# Altium PCB WP75xx 2 no usb_v.PcbDoc (part 1 of 2)
Units mil, origin at the board's own origin, x right, y up, seen from the top; angles counter-clockwise.
Board outline 1968.5 x 2755.91 mil, 2 copper layers (Top, Bottom); 120 components, 122 nets, 636 pads, 143 vias.
Unrouted connection lines stored in the file: 34.
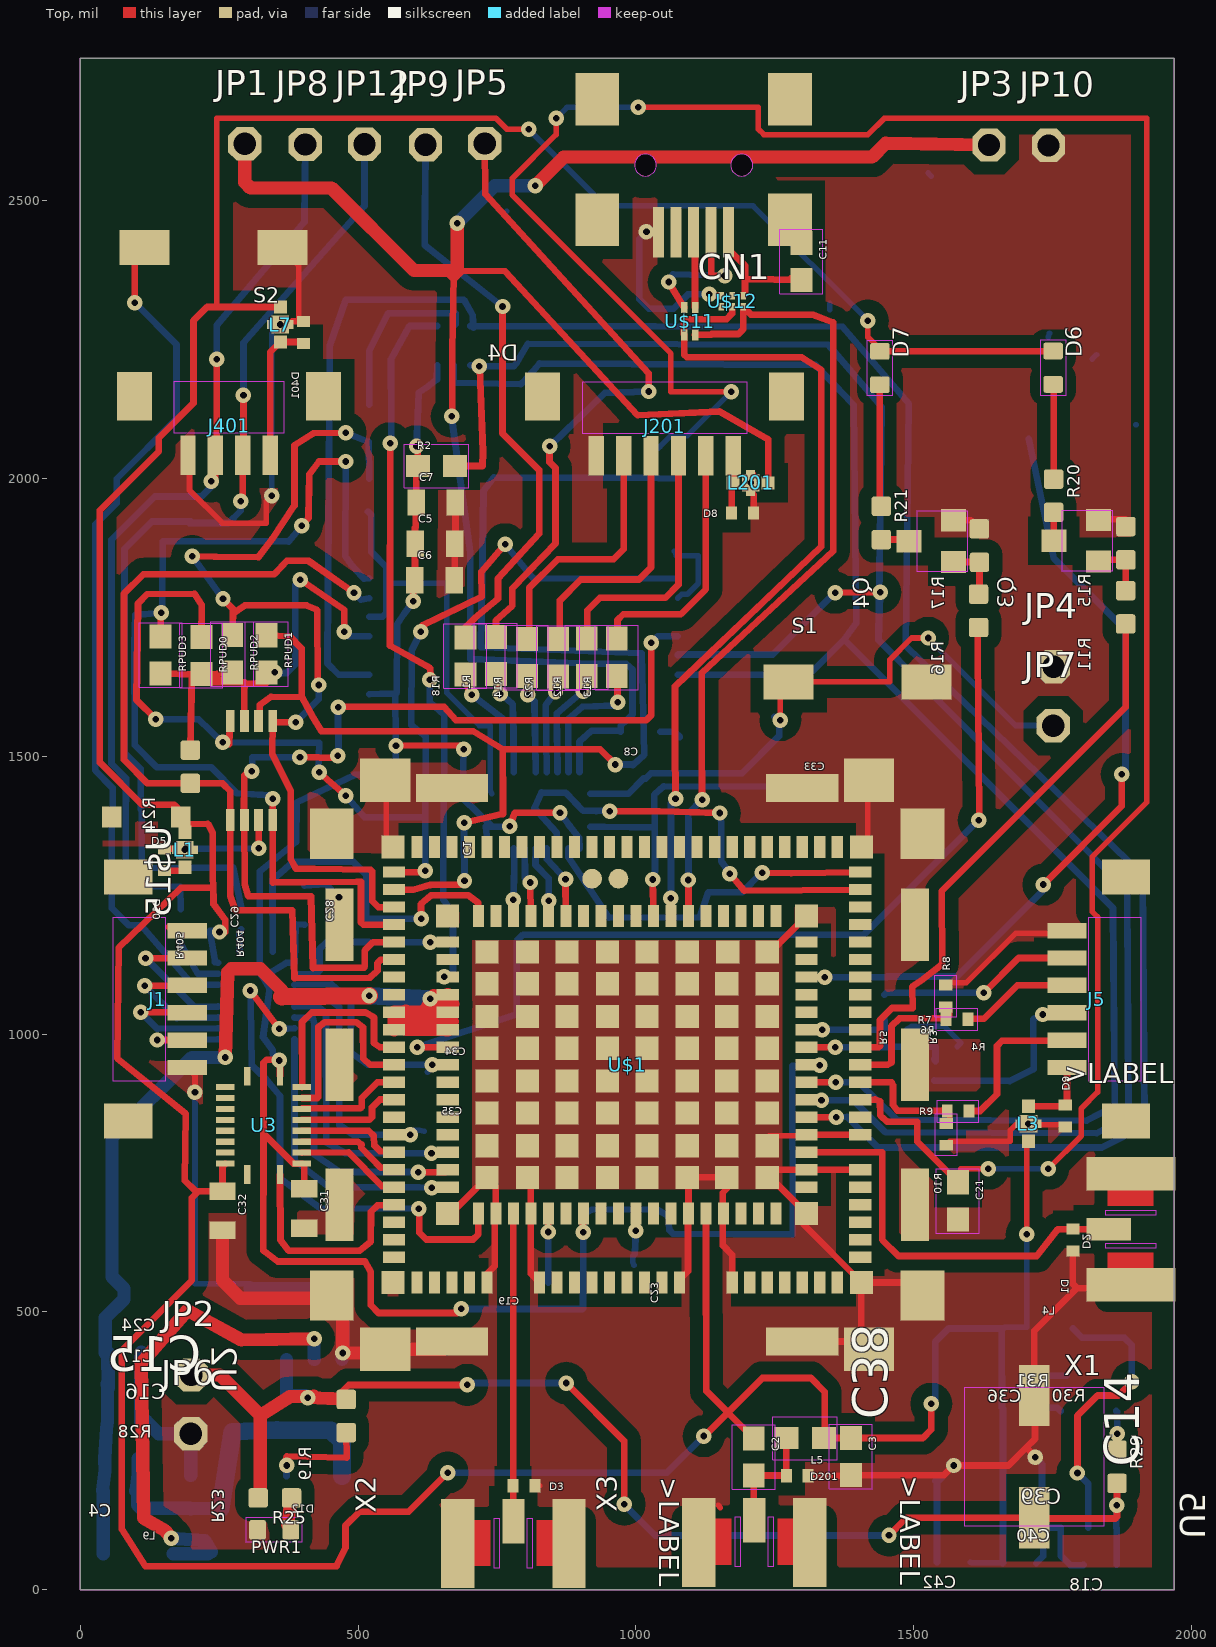
[diagram p0: Top view]
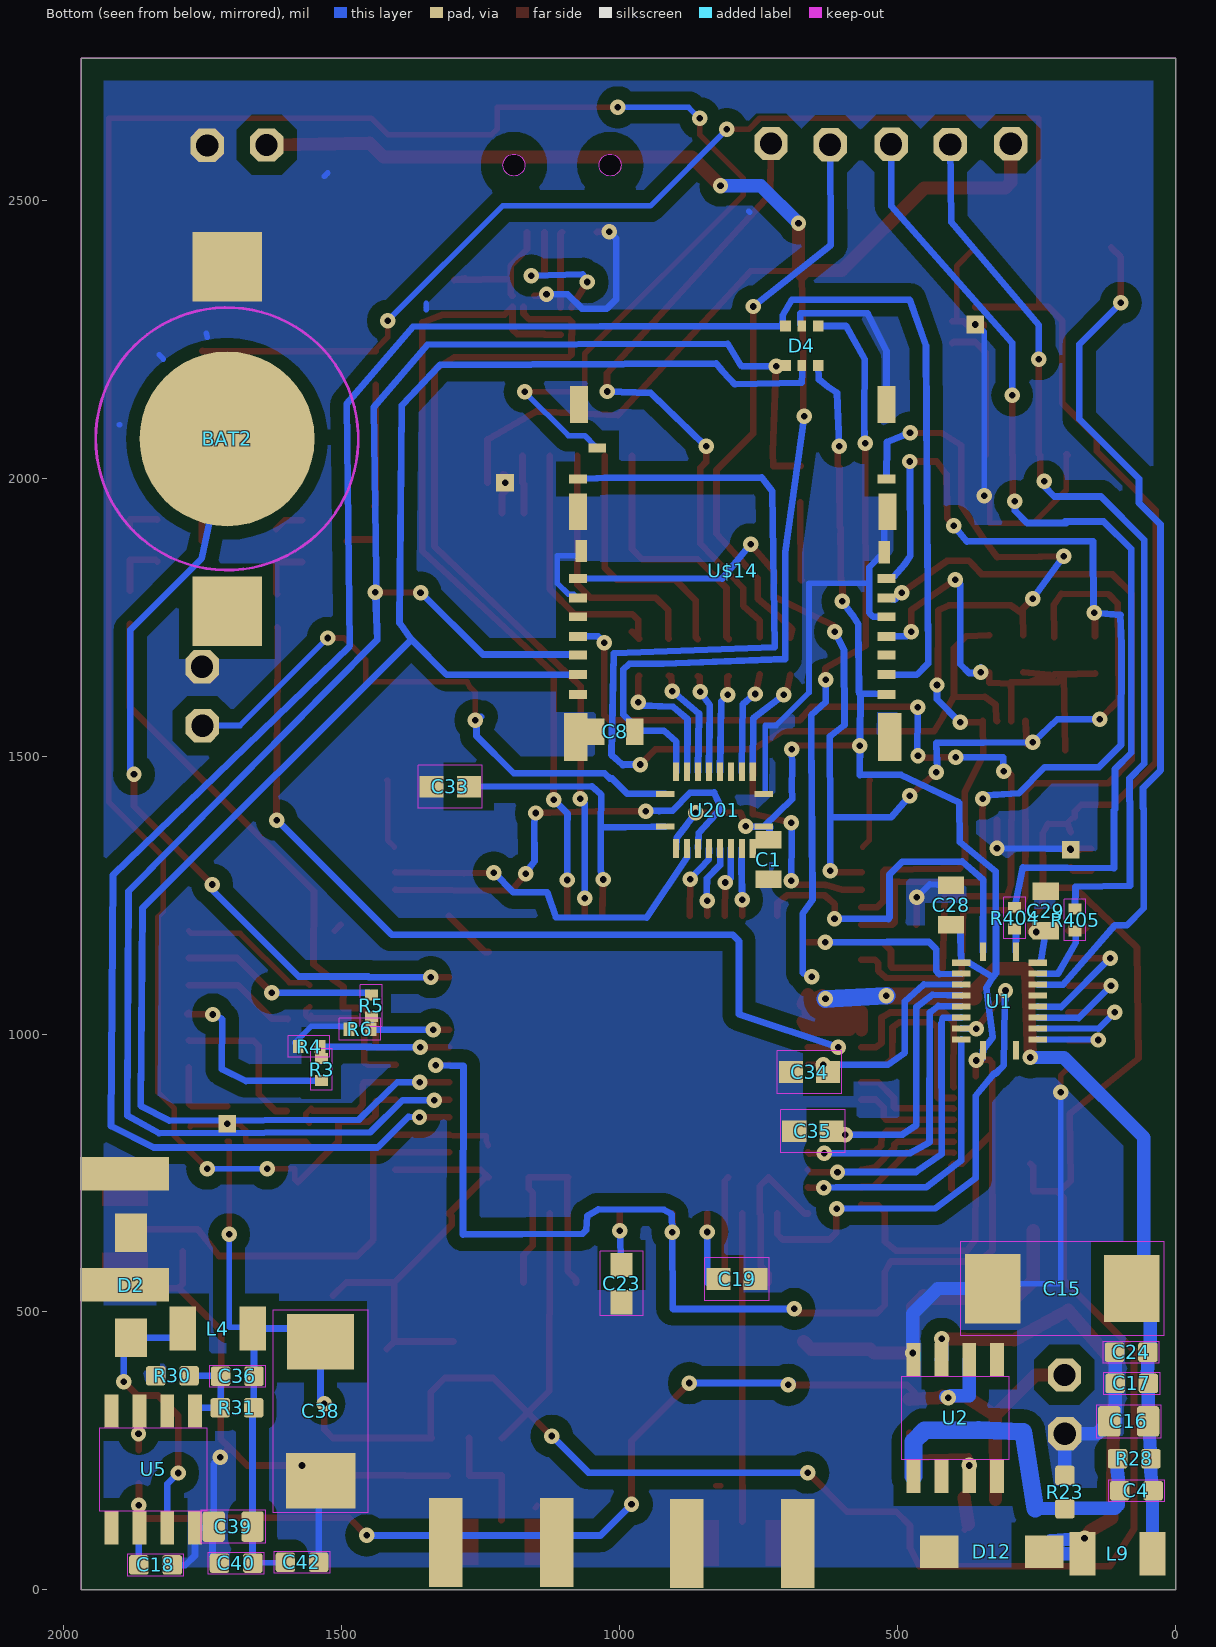
[diagram p1: Bottom view, seen from below]

## Layer stack, top to bottom
Top Solder: solder mask 0.4, Solder Resist, Dk 3.5
Top: signal copper 1.378
Dielectric 1: dielectric 12.6, FR-4, Dk 4.8
Bottom: signal copper 1.378
Bottom Solder: solder mask 0.4, Solder Resist, Dk 3.5

## Board outline
0,2755.91 0,0 1968.5,0 1968.5,2755.91
cut-out: 1017.17,2543.66 ccw(c1017.17,2563.35) 1036.86,2563.35 ccw(c1017.17,2563.35) 1017.17,2583.03 ccw(c1017.17,2563.35) 997.49,2563.35 ccw(c1017.17,2563.35)
cut-out: 1190.39,2543.66 ccw(c1190.39,2563.35) 1210.08,2563.35 ccw(c1190.39,2563.35) 1190.39,2583.03 ccw(c1190.39,2563.35) 1170.7,2563.35 ccw(c1190.39,2563.35)

## Design rules (kind name [scope] priority, off if disabled: settings)
BoardOutlineClearance mdCopperDimension [All] p1: gap=10 ignorepadtopadclearanceinfootprint=FALSE except(0: Arc-SplitContinuation Track-SplitContinuation SMDPad-SplitContinuation THPad-SplitContinuation Via-SplitContinuation Fill-SplitContinuation Poly-SplitContinuation Region-SplitContinuation Text-SplitContinuation; 40: Poly-OutlineEdge Poly-CavityEdge Poly-CutoutEdge Poly-SplitBarrior)
Clearance Clearance_for_PolygonClass_Isolate_24 [InPolygonClass('Isolate_24') vs IsArc Or IsTrack Or IsPad Or IsVia Or IsFill Or IsRegion Or IsText] p1: gap=24 ignorepadtopadclearanceinfootprint=FALSE
Clearance "Clearance (Same Net)" [All] p2: gap=8 ignorepadtopadclearanceinfootprint=FALSE
Clearance Clearance_for_NetClass_usbvcc [InNetClass('usbvcc') vs InNetClass('usbvcc')] p3: gap=10 ignorepadtopadclearanceinfootprint=FALSE
Clearance Clearance_for_NetClass_power [InNetClass('power') vs InNetClass('power')] p4: gap=6 ignorepadtopadclearanceinfootprint=FALSE
Clearance [All] p5: gap=8 ignorepadtopadclearanceinfootprint=FALSE
HoleSize HoleSize_For_NetClass_usbvcc [InNetClass('usbvcc')] p1: absolutevalues=TRUE maxlimit=24 minlimit=24 maxpercent=80.000 minpercent=20.000
HoleSize HoleSize_For_NetClass_power [InNetClass('power')] p2: absolutevalues=TRUE maxlimit=7.87 minlimit=7.87 maxpercent=80.000 minpercent=20.000
HoleSize [All] p3: absolutevalues=TRUE maxlimit=100000 minlimit=24 maxpercent=80.000 minpercent=20.000
HoleToHoleClearance mdDrill [All] p1: gap=8 allowstackedmicrovias=TRUE
MinimumSolderMaskSliver [All] p1 off: minsoldermaskwidth=10
PasteMaskExpansion Expansion_SMDPaste_OFF [InPadClass('SMDPaste_OFF')] p1: expansion=0
PasteMaskExpansion mlMinCreamFrame [All] p2: expansion=0
PolygonConnect PolygonConnect_For_PolygonThermal_OFF [InPolygonClass('PolygonThermal_OFF')] p1: connectstyle=Direct reliefconductorwidth=10 reliefentries=4 polygonreliefangle="90 Angle" airgapwidth=10
PolygonConnect ThermalVias [IsVia] p2: connectstyle=Direct reliefconductorwidth=10 reliefentries=4 polygonreliefangle="90 Angle" airgapwidth=10
PolygonConnect [All] p3: connectstyle=Relief reliefconductorwidth=10 reliefentries=4 polygonreliefangle="90 Angle" airgapwidth=10
RoutingVias [All] p1: holewidth=24 width=40 viastyle="Through Hole" minholewidth=24 minwidth=40 maxholewidth=100 maxwidth=100
SolderMaskExpansion mlMinStopFrame [All] p1: expansion=4 istentingtop=FALSE
Width Width_For_NetClass_usbvcc [InNetClass('usbvcc')] p1: maxlimit=40 minlimit=10 preferedwidth=20
Width Width_For_NetClass_power [InNetClass('power')] p2: maxlimit=10 minlimit=5.91 preferedwidth=5.91
Width [All] p3: maxlimit=10000 minlimit=10 preferedwidth=10
26 further rules are at their usual default settings.

## Classes and differential pairs
polygon class PolygonThermal_OFF: Polygon_1_Net_GND Polygon_2_Net_GND
polygon class Isolate_24: Polygon_1_Net_GND Polygon_2_Net_GND
pad class SMDPaste_OFF: BAT2-GND X1-GND@1 X1-GND@2 X1-GND@3 X1-GND@4 X1-P X2-GND@1 X2-GND@2 X2-GND@3 X2-GND@4 X2-P X3-GND@1 X3-GND@2 X3-GND@3 X3-GND@4 X3-P
net class power: +5V N$23 N$37

## Components (designator, comment, footprint, x,y, rotation, side; value= is the part's Value field where it differs from the comment)
BAT2 "" BATTCON_12MM 1706.46,2070.91 r270 bottom
C1 "100nf" 0805-CAP 732.24,1313.82 r270 bottom
C2 "15pf" 0603-CAP 1212.05,239.17 r270 top
C3 "22pf" 0603-CAP 1386.73,240 r270 top
C4 "DNP" C0603 70.39,178.46 r0 bottom
C5 "100nf" 0805-CAP 638.7,1882.05 r0 top
C6 "10nf" 0805-CAP 637.64,1816.46 r0 top
C7 "4.7uf" 0805-CAP 639.92,1956.38 r0 top
C8 "100nf" 0805-CAP 1008.11,1543.78 r0 bottom
C11 "10uf" 0603-CAP 1297.6,2390.08 r270 top
C14 "16V 220uF" ELECTRO-SMD-D-5.6MM 1716.69,239.72 r270 top
C15 "470uF" AVX-D 203.94,542.13 r0 bottom
C16 "10uF" C0805 84.33,303.19 r180 bottom
C17 "100nF" C0603 78.78,371.46 r180 bottom
C18 "100nF" C0603 1835.12,45 r0 bottom
C19 "22pf" 0603-CAP 788.98,559.25 r0 bottom
C21 "22pf" 0603-CAP 1579.13,699.96 r270 top
C23 "22pf" 0603-CAP 996.57,550.98 r90 bottom
C24 "100nF" C0603 79.8,427.6 r180 bottom
C28 "100nf" 0805-CAP 403.82,1231.97 r90 bottom
C29 "100nf" 0805-CAP 233.31,1221.42 r90 bottom
C31 "100nf" 0805-CAP 403.19,686.3 r270 top
C32 "100nf" 0805-CAP 256.3,682.09 r270 top
C33 "22pf" 0603-CAP 1304.92,1445.04 r180 bottom
C34 "22pf" 0603-CAP 658.46,931.73 r180 bottom
C35 "22pf" 0603-CAP 652.6,825.08 r180 bottom
C36 "DNP" C0603 1688.03,384.45 r0 bottom
C38 "470uF" AVX-D 1538.27,321.26 r270 bottom
C39 "10uF" C0805 1695.55,113.82 r180 bottom
C40 "100nF" C0603 1690.12,48.15 r180 bottom
C42 "100nF" C0603 1571.65,49.76 r0 bottom
CN1 "" USB-MINIB 1103.78,2602.72 r180 top
D1 "" 0402-TVS 1786.14,629.25 r90 top
D2 "" SMA-DIODE-KIT 1879.25,547.99 r270 bottom
D3 "" 0402-TVS 798.82,187.36 r180 top
D4 "SMF05C" SOT363 672.36,2238.58 r0 bottom
D5 "" SOD-123 119.17,1390.51 r180 top
D6 "green" LED-0603 1750.55,2198.82 r270 top
D7 "green" LED-0603 1438.94,2198.31 r270 top
D8 "PESD0402-140" 0402-TVS 1192.01,1937.32 r0 top
D9 "PESD0402-140" 0402-TVS 1772.32,852.8 r270 top
D10 "PESD0402-140" 0402-TVS 151.61,1313.62 r90 top
D12 "" SMA-DIODE-KIT 330.83,68.58 r180 bottom
D201 "" 0402-TVS 1290.28,205.32 r180 top
D401 "" 0402-TVS 401.89,2262.48 r90 top
J1 "" DF13C-6P-1.25V 157.48,1062.99 r270 top
J5 "" DF13C-6P-1.25V 1811.02,1062.99 r90 top
J201 "" DF13C-6P-1.25V 1051.85,2075.91 r180 top
J401 "" DF13C-4P-1.25V 268.03,2076.69 r180 top
JP1 "" 1X01 296.34,2601.65 r0 top
JP2 "" 1X01 199.92,386.77 r0 top
JP3 "" 1X01 1635.32,2599.65 r0 top
JP4 "" 1X01 1751.38,1660.83 r0 top
JP5 "" 1X01 727.83,2602.32 r0 top
JP6 "" 1X01 199.17,281.14 r0 top
JP7 "" 1X01 1750.87,1554.84 r0 top
JP8 "" 1X01 405.24,2600.43 r0 top
JP9 "" 1X01 621.5,2600.2 r0 top
JP10 "" 1X01 1742.28,2598.86 r0 top
JP12 "" 1X01 511.77,2601.02 r0 top
L1 "" KYOCERA-KNH16-DA 188.54,1331.69 r270 top
L3 "" KYOCERA-KNH16-DA 1706.18,838.74 r90 top
L4 "10uh" 1210 1723.31,470.28 r180 bottom
L5 "" 0603 1304.57,273.19 r180 top
L7 "" KYOCERA-KNH16-DA 360.28,2276.61 r270 top
L9 "10uh" 1210 104.41,64.96 r180 bottom
L201 "" KYOCERA-KNH16-DA 1206.34,1991.65 r180 top
PWR1 "Red" D0603 349.21,108.07 r180 top
Q3 "9013" SOT23 1791.81,1887.64 r90 top
Q4 "9013" SOT23 1531.1,1886.85 r90 top
R1 "120r" 0603 748.15,1680.94 r90 top
R2 "15k" 0603 641.18,2022.05 r0 top
R3 "10K/0.1%" 0402-RES 1536.5,936.14 r270 bottom
R4 "10K/0.1%" 0402-RES 1558.74,977.64 r180 bottom
R5 "10K/0.1%" 0402-RES 1446.77,1050.91 r90 bottom
R6 "10K/0.1%" 0402-RES 1467.32,1008.66 r180 bottom
R7 "10K/0.1%" 0402-RES 1577.4,1026.73 r0 top
R8 "10K/0.1%" 0402-RES 1557.36,1068.46 r270 top
R9 "10K/0.1%" 0402-RES 1579.76,861.5 r0 top
R10 "10K/0.1%" 0402-RES 1558.35,819.65 r90 top
R11 "4.7k" R0603 1881.06,1767.83 r90 top
R12 "120r" 0603 911.54,1677.95 r90 top
R13 "120r" 0603 965.43,1677.91 r90 top
R14 "120r" 0603 803.94,1677.36 r90 top
R15 "47k" R0603 1881.46,1883.11 r90 top
R16 "4.7k" R0603 1616.38,1761.46 r90 top
R17 "47k" R0603 1618.07,1878.78 r90 top
R18 "120r" 0603 693.19,1680.04 r90 top
R19 "100k" R0603 478.82,312.83 r90 top
R20 "1k" R0603 1751.5,1968.46 r270 top
R21 "1K" R0603 1441.5,1919.69 r270 top
R22 "120r" 0603 859.88,1677.01 r90 top
R23 "10k 1%" R0603 199.06,175.91 r90 bottom
R24 "1K" R0603 198.43,1480.98 r90 top
R25 "330" R0603 350.39,165.51 r180 top
R28 "24k 1%" R0603 74.25,235.91 r180 bottom
R29 "100k" R0603 1865.55,221.54 r270 top
R30 "10k 1%" R0603 1804.8,385.16 r0 bottom
R31 "24k 1%" R0603 1688.66,327.6 r180 bottom
R404 "120R" 0402-RES 289.65,1208.5 r90 bottom
R405 "120R" 0402-RES 180.83,1204.96 r90 bottom
RPUD0 "47k" 0603 218.39,1681.06 r270 top
RPUD1 "47k" 0603 335.59,1684.06 r270 top
RPUD2 "47k" 0603 273.82,1684.17 r270 top
RPUD3 "47k" 0603 144.88,1682.17 r270 top
S1 "" TACTILE-SWITCH-1101NE 1398.62,1633.5 r0 top
S2 "" TACTILE-SWITCH-1101NE 240,2415.32 r180 top
U1 "" QFN20-RGY 316.89,1059.45 r180 bottom
U2 "TD1410" SOP8 396.26,309.41 r0 bottom
U3 "" QFN20-RGY 330.24,835.87 r180 top
U5 "TD1410" SOP8 1839.02,216.81 r180 bottom
U201 "" QFN20-RGY 829.53,1402.72 r90 bottom
U$1 "" SOCKET_WP75XX 984.25,944.88 r180 top
U$11 "" TCM1210G 1096.57,2287.6 r0 top
U$12 "" TPD4S012 1173.15,2318.23 r90 top
U$14 "" SIM_SD_HOLDER 801.57,1750.91 r180 bottom
U$15 "PACDN006" MSOP8 308.39,1474.29 r0 top
X1 "uFL" SMA_EDGELAUNCH_UFL 1970.87,648.9 r180 top
X2 "uFL" SMA_EDGELAUNCH_UFL 779.53,3.11 r90 top
X3 "uFL" SMA_EDGELAUNCH_UFL 1213.03,5.67 r90 top

## Footprints (in the part's own frame and the unit in brackets; to place one, negate y for a bottom-side part, rotate by r counter-clockwise, add the part's x,y. Pads: shape width x height; smd on the part's side, far side on the other; paste and mask are expansions set on the pad)
1X01 [mil] "1X01"
  oct 60x60 / inner round 55.43 / far side oct 60x60 hole 40: 1(0,0)
  body extent -28,-28 28,28, height 150
0402-RES [mil] "0402-RES"
  rect 19.69x23.62 smd: P$1(-19.69,0) P$2(19.69,0)
  Top keep-out lines w2: 37.4,19.69 37.4,-19.69 -37.4,-19.69 -37.4,19.69 37.4,19.69
  body extent -38,-21 38,21, height 150
0402-TVS [mil] "0402-TVS"
  rect 19.69x23.62 smd: A(19.69,0) C(-19.69,0)
  body extent -30,-12 30,12, height 150
0603 [mm] "0603"
  rect 1.1x1 smd: 1(-0.85,0) 2(0.85,0)
  Top keep-out lines w0.051: 1.473,0.983 1.473,-0.983 -1.473,-0.983 -1.473,0.983 1.473,0.983
  body extent -1.5,-1.01 1.5,1.01, height 3.81
0603-CAP [mm] "0603-CAP"
  rect 1.1x1 smd: 1(-0.85,0) 2(0.85,0)
  Top keep-out lines w0.051: 1.473,-0.983 -1.473,-0.983 -1.473,0.983 1.473,0.983 1.473,-0.983
  body extent -1.5,-1.01 1.5,1.01, height 3.81
0805-CAP [mil] "0805-CAP"
  rect 31.5x47.24 smd: 1(-35.43,0) 2(35.43,0)
  body extent -51,-24 51,24, height 50
1210 [mm] "1210"
  rect 1.2x2 smd: 1(-1.6,0) 2(1.6,0)
  body extent -2.2,-1 2.2,1, height 1.27
AVX-D [mil] "AVX-D"
  rect 100x120 smd: +(-125,0)
  rect 100x125 smd: -(125,0)
  Top keep-out region: -182.5,-85 -182.5,85 182.5,85 182.5,-85
  body extent -182,-85 182,85, height 150
BATTCON_12MM [mil] "BATTCON_12MM"
  rrect100% 314.96x314.96 smd paste+0: GND(0,0)
  rect 125x125 smd: PWR@1(-310,0) PWR@2(310,0)
  Top keep-out circle w5: c0,0 r236.22
  body extent -372,-239 372,239, height 150
C0603 [mil] "C0603"
  rrect25% 35x35 smd: 1(-30,0) 2(30,0)
  Top keep-out region: -50,-20 -50,20 50,20 50,-20
  body extent -50,-20 50,20, height 150
C0805 [mil] "C0805"
  rrect25% 40x55 smd: 1(-35,0) 2(35,0)
  Top keep-out region: -57.5,-30 -57.5,30 57.5,30 57.5,-30
  body extent -58,-30 58,30, height 150
D0603 [mil] "D0603"
  rrect25% 30x35 smd: +(-30,0) -(30,0)
  Top keep-out region: -50,-22.5 -50,22.5 50,22.5 50,-22.5
  body extent -50,-23 50,23, height 150
DF13C-4P-1.25V [mil] "DF13C-4P-1.25V"
  rect 27.56x70.87 smd: 1(-73.82,35.43) 2(-24.61,35.43) 3(24.61,35.43) 4(73.82,35.43)
  rect 62.99x86.61 smd: M$0(170.28,-70.87) M$1(-170.28,-70.87)
  Top keep-out region: -98.43,-97.44 -98.43,-3.94 98.43,-3.94 98.43,-97.44
  body extent -202,-114 202,71, height 150
DF13C-6P-1.25V [mil] "DF13C-6P-1.25V"
  rect 27.56x70.87 smd: 1(-123.03,35.43) 2(-73.82,35.43) 3(-24.61,35.43) 4(24.61,35.43) 5(73.82,35.43) 6(123.03,35.43)
  rect 62.99x86.61 smd: M$0(219.49,-70.87) M$1(-219.49,-70.87)
  Top keep-out region: -147.64,-97.44 -147.64,-3.94 147.64,-3.94 147.64,-97.44
  body extent -251,-114 251,71, height 150
ELECTRO-SMD-D-5.6MM [mil] "ELECTRO-SMD-D-5.6MM"
  rect 110x55 smd: +(110,0) -(-110,0)
  Top keep-out region: -125,-125 -125,125 125,125 125,-125
  body extent -165,-125 165,125, height 150
KYOCERA-KNH16-DA [mil] "KYOCERA-KNH16-DA"
  rect 23.62x23.62 smd: P$1(-31.5,0) P$2(31.5,0)
  rect 15.75x15.75 smd: P$3(0,-15.75) P$4(0,15.75)
  rect 31.81x31.81 / inner round 29.39 / far side rect 31.81x31.81 hole 11.81: P$5(0,0)
  body extent -43,-24 43,24, height 50
LED-0603 [mil] "LED-0603"
  rrect25% 30x35 smd: +(-30,0) -(30,0)
  Top keep-out region: -50,-22.5 -50,22.5 50,22.5 50,-22.5
  body extent -50,-23 50,23, height 150
MSOP8 [mm] "MSOP8"
  rect 0.4x1 smd: 1(-0.976,-2.263) 2(-0.326,-2.263) 3(0.324,-2.263) 4(0.974,-2.263) 5(0.974,2.262) 6(0.324,2.262) 7(-0.326,2.262) 8(-0.976,2.262)
  body extent -1.18,-2.76 1.17,2.76, height 3.81
QFN20-RGY [mil] "QFN20-RGY"
  rect 11.02x33.46 smd: 1(-29.53,88.58) 10(-29.53,-88.58) 11(29.53,-88.58) 20(29.53,88.58)
  rect 33.46x11.02 smd: 2(-68.9,68.9) 3(-68.9,49.21) 4(-68.9,29.53) 5(-68.9,9.84) 6(-68.9,-9.84) 7(-68.9,-29.53) 8(-68.9,-49.21) 9(-68.9,-68.9) 12(68.9,-68.9) 13(68.9,-49.21) 14(68.9,-29.53) 15(68.9,-9.84) 16(68.9,9.84) 17(68.9,29.53) 18(68.9,49.21) 19(68.9,68.9)
  body extent -86,-105 86,105, height 50
R0603 [mil] "R0603"
  rrect25% 35x35 smd: 1(-30,0) 2(30,0)
  body extent -48,-18 48,18, height 50
SIM_SD_HOLDER [mil] "SIM_SD_HOLDER"
  rect 32x16 smd: -(-273.62,0) --(-273.62,-139.76) C1(281.5,-139.76) C2(281.5,-104.33) C3(-273.62,-104.33) C4(281.5,0) C5(281.5,-68.9) C6(-273.62,-68.9) SW(-238.98,303.54) T1(281.5,248.03) T2(281.5,68.9) T3(281.5,33.46) T4(281.5,-35.43) T5(-273.62,-35.43) T6(-273.62,33.46) T7(-273.62,68.9) T8(-273.62,248.03)
  rect 42x86 smd: G1(-277.56,-216.54) G8(287.4,-216.54)
  rect 20x40 smd: G2(-267.72,118.11) G7(277.56,116.14)
  rect 32x66 smd: G3(-273.62,188.98) G4(-271.65,381.89) G5(281.5,381.89) G6(283.46,188.98)
  body extent -299,-260 308,415, height 50
SMA-DIODE-KIT [mil] "SMA-DIODE-KIT"
  rect 69.69x57.87 smd: A(-94.49,0) C(94.49,0)
  body extent -129,-29 129,29, height 50
SMA_EDGELAUNCH_UFL [mil] "SMA_EDGELAUNCH_UFL"
  rect 160x60 smd paste+0: GND@1(80,-100) GND@2(80,100)
  rect 160x60 smd far side paste+0: GND@3(80,100) GND@4(80,-100)
  rect 80x40 smd paste+0: P(120,0)
  Top region: 122,-41.94 122,-125 40,-125 40,-41.94 122,-41.94
  Top region: 40,41.94 40,125 122,125 122,41.94 40,41.94
  Top keep-out region: 36,25 36,34 126,34 126,25
  Top keep-out region: 36,-34 36,-25 126,-25 126,-34
  body extent -367,-200 160,200, height 150
SOCKET_WP75XX [mil] "SOCKET_WP75XX"
  rect 20x40 smd: P$1(267.72,-267.72) P$2(236.22,-267.72) P$3(204.72,-267.72) P$4(173.23,-267.72) P$5(141.73,-267.72) P$6(110.24,-267.72) P$7(78.74,-267.72) P$8(47.24,-267.72) P$9(15.75,-267.72) P$10(-15.75,-267.72) P$11(-47.24,-267.72) P$12(-78.74,-267.72) P$13(-110.24,-267.72) P$14(-141.73,-267.72) P$15(-173.23,-267.72) P$16(-204.72,-267.72) P$17(-236.22,-267.72) P$18(-267.72,-267.72) P$34(-267.72,267.72) P$35(-236.22,267.72) P$36(-204.72,267.72) P$37(-173.23,267.72) P$38(-141.73,267.72) P$39(-110.24,267.72) P$40(-78.74,267.72) P$41(-47.24,267.72) P$42(-15.75,267.72) P$43(15.75,267.72) P$44(47.24,267.72) P$45(78.74,267.72) P$46(110.24,267.72) P$47(141.73,267.72) P$48(173.23,267.72) P$49(204.72,267.72) P$50(236.22,267.72) P$51(267.72,267.72) P$71(377.95,-391.73) P$72(346.46,-391.73) P$73(314.96,-391.73) P$74(283.46,-391.73) P$75(251.97,-391.73) P$76(220.47,-391.73) P$77(188.98,-391.73) P$78(157.48,-391.73) P$79(125.98,-391.73) P$80(94.49,-391.73) P$81(62.99,-391.73) P$82(31.5,-391.73) P$83(0,-391.73) P$84(-31.5,-391.73) P$85(-62.99,-391.73) P$86(-94.49,-391.73) P$87(-125.98,-391.73) P$88(-157.48,-391.73) P$89(-188.98,-391.73) P$90(-220.47,-391.73) P$91(-251.97,-391.73) P$92(-283.46,-391.73) P$93(-314.96,-391.73) P$94(-346.46,-391.73) P$95(-377.95,-391.73) P$119(-377.95,391.73) P$120(-346.46,391.73) P$121(-314.96,391.73) P$122(-283.46,391.73) P$123(-251.97,391.73) P$124(-220.47,391.73) P$125(-188.98,391.73) P$128(-94.49,391.73) P$129(-62.99,391.73) P$130(-31.5,391.73) P$131(0,391.73) P$132(31.5,391.73) P$133(62.99,391.73) P$134(94.49,391.73) P$135(125.98,391.73) P$136(157.48,391.73) P$139(251.97,391.73) P$140(283.46,391.73) P$141(314.96,391.73) P$142(346.46,391.73) P$143(377.95,391.73)
  rect 40x20 smd: P$19(-322.83,-220.47) P$20(-322.83,-188.98) P$21(-322.83,-157.48) P$22(-322.83,-125.98) P$23(-322.83,-94.49) P$24(-322.83,-62.99) P$25(-322.83,-31.5) P$26(-322.83,0) P$27(-322.83,31.5) P$28(-322.83,62.99) P$29(-322.83,94.49) P$30(-322.83,125.98) P$31(-322.83,157.48) P$32(-322.83,188.98) P$33(-322.83,220.47) P$52(322.83,220.47) P$53(322.83,188.98) P$54(322.83,157.48) P$55(322.83,125.98) P$56(322.83,94.49) P$57(322.83,62.99) P$58(322.83,31.5) P$59(322.83,0) P$60(322.83,-31.5) P$61(322.83,-62.99) P$62(322.83,-94.49) P$63(322.83,-125.98) P$64(322.83,-157.48) P$65(322.83,-188.98) P$66(322.83,-220.47) P$96(-419.29,-346.46) P$97(-419.29,-314.96) P$98(-419.29,-283.46) P$99(-419.29,-251.97) P$100(-419.29,-220.47) P$101(-419.29,-188.98) P$102(-419.29,-157.48) P$103(-419.29,-125.98) P$104(-419.29,-94.49) P$105(-419.29,-62.99) P$106(-419.29,-31.5) P$107(-419.29,0) P$108(-419.29,31.5) P$109(-419.29,62.99) P$110(-419.29,94.49) P$111(-419.29,125.98) P$113(-419.29,188.98) P$114(-419.29,220.47) P$115(-419.29,251.97) P$116(-419.29,283.46) P$117(-419.29,314.96) P$118(-419.29,346.46) P$144(419.29,346.46) P$145(419.29,314.96) P$146(419.29,283.46) P$147(419.29,251.97) P$148(419.29,220.47) P$149(419.29,188.98) P$150(419.29,157.48) P$151(419.29,125.98) P$152(419.29,94.49) P$153(419.29,62.99) P$154(419.29,31.5) P$155(419.29,0) P$156(419.29,-31.5) P$157(419.29,-62.99) P$158(419.29,-94.49) P$159(419.29,-125.98) P$160(419.29,-157.48) P$161(419.29,-188.98) P$162(419.29,-220.47) P$163(419.29,-251.97) P$164(419.29,-283.46) P$165(419.29,-314.96) P$166(419.29,-346.46)
  rect 41.34x41.34 smd: P$67(322.83,-267.72) P$68(-322.83,-267.72) P$69(-322.83,267.72) P$70(322.83,267.72) P$167(421.26,-391.73) P$168(-421.26,-391.73) P$169(-421.26,391.73) P$170(421.26,391.73)
  rect 41.73x41.73 smd: P$171(251.97,-202.76) P$172(251.97,-145.67) P$173(251.97,-86.61) P$174(251.97,-29.53) P$175(251.97,29.53) P$176(251.97,86.61) P$177(251.97,145.67) P$178(251.97,202.76) P$179(179.13,202.76) P$180(108.27,202.76) P$181(35.43,202.76) P$182(-35.43,202.76) P$183(-108.27,202.76) P$184(-179.13,202.76) P$185(-251.97,202.76) P$186(-251.97,145.67) P$187(-251.97,86.61) P$188(-251.97,29.53) P$189(-251.97,-29.53) P$190(-251.97,-86.61) P$191(-251.97,-145.67) P$192(-251.97,-202.76) P$193(-181.1,-202.76) P$194(-108.27,-202.76) P$195(-35.43,-202.76) P$196(35.43,-202.76) P$197(108.27,-202.76) P$198(179.13,-202.76) P$199(179.13,-145.67) P$200(179.13,-86.61) P$201(179.13,-29.53) P$202(179.13,29.53) P$203(179.13,86.61) P$204(179.13,145.67) P$205(108.27,145.67) P$206(35.43,145.67) P$207(-35.43,145.67) P$208(-108.27,145.67) P$209(-179.13,145.67) P$210(-179.13,86.61) P$211(-179.13,29.53) P$212(-179.13,-29.53) P$213(-179.13,-86.61) P$214(-179.13,-145.67) P$215(-108.27,-145.67) P$216(-35.43,-145.67) P$217(35.43,-145.67) P$218(108.27,-145.67) P$219(108.27,-86.61) P$220(108.27,-29.53) P$221(108.27,29.53) P$222(108.27,86.61) P$223(35.43,86.61) P$224(-35.43,86.61) P$225(-108.27,86.61) P$226(-108.27,29.53) P$227(-108.27,-29.53) P$228(-108.27,-86.61) P$229(-35.43,-86.61) P$230(35.43,-86.61) P$231(35.43,-29.53) P$232(35.43,29.53) P$233(-35.43,29.53) P$234(-35.43,-29.53)
  rrect100% 35.43x35.43 smd: P$240(62.99,-334.65) P$241(15.75,-334.65)
  rect 50x129.92 smd: P$245(-517.72,-251.97) P$246(-517.72,0) P$247(-517.72,251.97) P$250(517.72,251.97) P$251(517.72,0) P$252(517.72,-251.97)
  rect 129.92x50 smd: P$248(-314.96,498.03) P$249(314.96,498.03) P$253(314.96,-498.03) P$254(-314.96,-498.03)
  rect 78.74x90.55 smd: P$255(-531.5,-415.35) P$258(531.5,-415.35) P$259(531.5,415.35) P$262(-531.5,415.35)
  rect 90.55x78.74 smd: P$256(-435.04,-511.81) P$257(435.04,-511.81) P$260(435.04,511.81) P$261(-435.04,511.81)
  body extent -571,-551 571,551, height 50
SOD-123 [mil] "SOD-123"
  rect 35.43x37.4 smd: A(62.01,0) C(-62.01,0)
  body extent -80,-33 80,33, height 150
SOP8 [mil] "SOP8"
  rect 25x60 smd: 1(-75,-105) 2(-25,-105) 3(25,-105) 4(75,-105) 5(75,105) 6(25,105) 7(-25,105) 8(-75,105)
  Top keep-out region: -96.46,-75 -96.46,75 96.46,75 96.46,-75
  body extent -96,-135 96,135, height 150
SOT23 [mil] "SOT23"
  rect 40x45 smd: 1(-37.4,-40) 2(37.4,-40) 3(0,40)
  Top keep-out region: -55,-65 -55,25 55,25 55,-65
  body extent -57,-65 57,62, height 150
SOT363 [mil] "SOT363"
  rect 19.69x19.69 smd: 1(-29.53,-35.43) 3(29.53,-35.43) 4(29.53,35.43) 6(-29.53,35.43)
  rect 15.75x19.69 smd: 2(0,-35.43) 5(0,35.43)
  body extent -39,-45 39,45, height 50
TACTILE-SWITCH-1101NE [mil] "TACTILE-SWITCH-1101NE"
  rect 90.55x62.99 smd: 1(-124.02,0) 2(124.02,0)
  body extent -169,-46 169,46, height 150
TCM1210G [mil] "TCM1210G"
  rect 11.81x19.69 smd: 1(-9.84,-29.53) 2(9.84,-29.53) 3(9.84,19.69) 4(-9.84,19.69)
  body extent -16,-39 16,30, height 50
TPD4S012 [mm] "TPD4S012"
  rect 0.35x0.25 smd: P$1(-0.25,-0.5) P$2(-0.25,0) P$3(-0.25,0.5) P$4(0.25,0.5) P$5(0.25,0) P$6(0.25,-0.5)
  body extent -0.42,-0.63 0.42,0.63, height 1.27
USB-MINIB [mil] "USB-MINIB"
  rect 19.69x90.87 smd: D+(0,160) D-(-31.5,160) GND(62.99,160) ID(31.5,160) VBUS(-62.99,160)
  rect 78.74x94.49 smd: GND1(-173.23,-78.74) GND2(-173.23,137.8) GND3(173.23,137.8) GND4(173.23,-78.74)
  body extent -213,-184 213,205, height 150

## Part data
BAT2: library part BATTCON_12MM, PackageName=BATTCON_12MM
C1 C5 C6 C7 C8 C28 C29 C31 C32: library part 0805-CAP, PackageName=0805-CAP
C2 C3 C11 C19 C21 C23 C33 C34 C35: library part 0603-CAP, PackageName=0603-CAP
C4 C17 C18 C24 C36 C40 C42: library part C0603, PackageName=C0603
C14: library part ELECTRO-SMD-D-5.6MM, PackageName=ELECTRO-SMD-D-5.6MM
C15 C38: library part AVX-D, PackageName=AVX-D
C16 C39: library part C0805, PackageName=C0805
CN1: library part USB-MINIB, PackageName=USB-MINIB
D1 D3 D8 D9 D10 D201 D401: library part 0402-TVS, PackageName=0402-TVS
D2 D12: library part SMA-DIODE-KIT, PackageName=SMA-DIODE-KIT
D4: library part SOT363, PackageName=SOT363
D5: library part SOD-123, PackageName=SOD-123
D6 D7: library part LED-0603, PackageName=LED-0603
J1 J5 J201: library part DF13C-6P-1.25V, PackageName=DF13C-6P-1.25V
J401: library part DF13C-4P-1.25V, PackageName=DF13C-4P-1.25V
JP1 JP2 JP3 JP4 JP5 JP6 JP7 JP8 JP9 JP10 JP12: library part 1X01, PackageName=1X01
L1 L3 L7 L201: library part KYOCERA-KNH16-DA, PackageName=KYOCERA-KNH16-DA
L4 L9: library part 1210, PackageName=1210
L5 R1 R2 R12 R13 R14 R18 R22 RPUD0 RPUD1 RPUD2 RPUD3: library part 0603, PackageName=0603
PWR1: library part D0603, PackageName=D0603
Q3 Q4: library part SOT23, PackageName=SOT23
R3 R4 R5 R6 R7 R8 R9 R10 R404 R405: library part 0402-RES, PackageName=0402-RES
R11 R15 R16 R17 R19 R20 R21 R23 R24 R25 R28 R29 R30 R31: library part R0603, PackageName=R0603
S1 S2: library part TACTILE-SWITCH-1101NE, PackageName=TACTILE-SWITCH-1101NE
U1 U3 U201: library part QFN20-RGY, PackageName=QFN20-RGY
U2 U5: library part SOP8, PackageName=SOP8
U$1: library part SOCKET_WP75XX, PackageName=SOCKET_WP75XX
U$11: library part TCM1210G, PackageName=TCM1210G
U$12: library part TPD4S012, PackageName=TPD4S012
U$14: library part SIM_SD_HOLDER, PackageName=SIM_SD_HOLDER
U$15: library part MSOP8, PackageName=MSOP8
X1 X2 X3: library part SMA_EDGELAUNCH_UFL, PackageName=SMA_EDGELAUNCH_UFL

## Free pads (board coordinates)
  round 39.37 hole 39.37 unplated: MH1(1190.39,2563.35) MH2(1017.17,2563.35)

## Via types
v1: diameter 27.81/27.81 (per signal layer), hole 11.81, Top to Bottom, 143 vias

## Nets (pads, with @x,y where several pads share a name; then routed paths per layer and width w, separated by ;. In a path a pad name is that pad's centre, name@x,y a point inside that pad or via, vN(x,y) a via of type N, cw(c..) or ccw(c..) an arc to the next point about the centre after c; other vN are vias at no path point)
1.8V: C1.1 C5.1 C6.1 C7.1 C28.1 C31.1 D4.6 R2.1 U1.2 U1.10 U3.2 U3.10 U201.2 U201.10 U$1.P$26 U$1.P$45 U$14.C1 | length 4452
  Top w10: C6.1@602.21,1816.46 600.39,1820.87 C6.1@602.56,1820.87
  Top w12: v1(358.46,952.52) 358.7,954.33 v1@359.76,950.43 ; U3.10@359.77,924.45 v1@359.76,950.43 ; C31.1@403.19,721.73 403.19,762.91 U3.2@399.14,766.97 384.06,766.97 330,821.02 ; v1(568.35,1518.7) 684.68,1519.45 v1(690.28,1512.4) ; v1(599.29,1778.43) 599.29,1813.54 C6.1@602.21,1816.46 ; C6.1@602.56,1815.32 602.56,1820.87 C5.1@602.56,1899.84 ; C5.1@603.27,1882.05 603.27,1899.13 C5.1@602.56,1899.84 ; v1(605.2,2057.4) 607.72,2054.88 R2.1@607.72,2022.05 604.49,2018.82 C7.1@604.49,1956.38 603.9,1955.79 603.9,1912.32 602.56,1910.98 C5.1@602.56,1899.84 ; v1(685.94,505.47) 678.74,498.27 536.93,498.27 523.15,512.05 523.15,571.81 512.68,590.83 355.79,590.83 329.29,610.75 329.29,711.14 330,711.85 330,821.02 ; v1(773.23,1374.02) 782.13,1397.95 v1(863.39,1398.35) ; v1(905.43,643.74) 904.8,651.5 U$1.P$45@905.51,677.16 ; U$1.P$26@1307.08,944.88 v1(1330.67,943.78) ; 330,821.02 330,948.35 335.75,954.09 355.91,954.09 v1@359.76,950.43
  Bottom w10: v1@567.82,1525.56 570.87,1525.59 v1(568.35,1518.7)
  Bottom w12: v1(358.46,952.52) 347.91,955.47 U1.10@346.42,970.87 329.13,994.33 340.87,1083.15 328.62,1102.13 ; C28.1@403.82,1196.54 387.68,1197.48 U1.2@385.79,1128.35 370.94,1128.07 328.62,1102.13 ; U$14.C1@520.08,1611.14 540.83,1612.28 569.09,1612.28 569.55,1615.36 ; v1(599.29,1778.43) 582.27,1755.27 570.75,1737.59 569.55,1615.36 ; v1(605.2,2057.4) 609.13,2153.66 625.24,2164.88 642.01,2177.76 D4.6@642.83,2203.15 ; v1(685.94,505.47) 903.9,505.47 904.72,506.3 v1(905.43,643.74) 905.71,644.02 906.14,676.06 920.43,683.98 1038.35,684.65 1058.46,672.72 1060.24,647.36 1066.81,640.79 1281.97,639.45 1281.02,942.68 v1(1330.67,943.78) ; v1(690.28,1512.4) 689.61,1480.2 690.39,1444.09 689.76,1422.8 U201.10@740.94,1373.19 ; C1.1@732.24,1349.25 729.72,1373.35 U201.10@740.94,1373.19 ; v1(773.23,1374.02) 772.4,1373.19 U201.10@740.94,1373.19 ; v1(863.39,1398.35) 882.05,1373.62 878.31,1377.76 897.48,1353.35 U201.2@898.43,1333.82 ; 328.62,1102.13 322.95,1109.72 323.5,1292.68 388.39,1345.63 389.21,1416.38 494.02,1466.38 568.39,1466.18 567.82,1525.56 566.97,1614.17 569.55,1615.36
3.7V: C4.1 C15.+ C16.2 C17.2 C24.2 L9.2 R28.2 U$1.P$61 U$1.P$62 U$1.P$63 U$1.P$157 U$1.P$158 | length 2247.3
  Top w12: 622.95,1045.59 635.63,1023.62 v1(629.76,1063.23)
  Top w24: v1(261.1,957.91) 265.83,1111.42 271.73,1117.32 324.25,1117.32 363.35,1078.23 363.35,1067.28 ; U$1.P$157@564.96,1007.87 U$1.P$158@564.96,1039.37 585.83,1039.37 585.83,1040.94 646.22,1023.11 v1@636.22,1069.25 ; U$1.P$61@661.42,1007.87 669.76,1022.52 604.33,1024.8 604.33,1008.27 ; U$1.P$62@661.42,1039.37 586.65,1039.37 586.65,1008.27 604.33,1008.27 ; U$1.P$63@661.42,1070.86 670.2,1054.17 v1@636.22,1069.25 ; 604.33,1008.27 658.7,1007.52 622.95,1045.59 v1@636.22,1069.25
  Top w32: 363.35,1067.28 v1(520.24,1068.86)
  Bottom w24: L9.2@41.42,64.96 41.42,177.44 C4.1@40.39,178.46 44.92,213.9 R28.2@44.25,235.91 47.64,290.16 C16.2@49.33,303.19 49.33,360.67 C17.2@48.78,371.46 50.94,363.39 C24.2@49.8,427.6 45.39,426.34 45.39,489.61 78.94,523.15 C15.+@78.94,542.13 57.44,563.62 57.44,814.02 201.34,957.91 v1(261.1,957.91)
  Bottom w32: v1(520.24,1068.86) v1(629.76,1063.23)
21: U3.1 U$1.P$147 | length 396.3
  Top w12: U3.1@359.77,747.29 360.43,630.08 375.28,609.96 502.64,609.96 522.72,626.1 523.39,680.24 534.92,691.77 563.82,691.77 U$1.P$147@564.96,692.91
22: U3.3 U$1.P$148 | length 191.7
  Top w12: U3.3@399.13,786.65 483.39,787.2 542.87,726.34 564.41,724.96 U$1.P$148@564.96,724.41
23: U3.4 U$1.P$149 | length 188.9
  Top w12: U3.4@399.14,806.34 499.8,806.34 506.14,801.34 505.91,795.47 540.79,760.04 564.92,755.87 U$1.P$149@564.96,755.9
24: U3.5 U$1.P$150 | length 190.6
  Top w12: U3.5@399.14,826.03 519.33,826.02 528.58,816.77 529.41,799.49 539.53,789.33 564.41,787.95 U$1.P$150@564.96,787.4
28: U3.6 U$1.P$153 | length 191.5
  Top w12: U3.6@399.14,845.71 520.2,845.71 525.08,850.59 525.08,868.11 539.37,882.4 564.45,882.4 U$1.P$153@564.96,881.89
29: U3.7 U$1.P$154 | length 195.4
  Top w12: U3.7@399.14,865.4 400,866.26 504.33,866.26 506.61,868.54 506.61,885.16 534.84,913.39 U$1.P$154@564.96,913.38
30: U3.8 U$1.P$155 | length 359.2
  Top w12: U3.8@399.14,885.08 426.77,885.08 428.5,886.06 428.46,1012.64 440.24,1021.42 496.89,1021.42 509.13,1012.44 509.53,955.87 521.85,944.65 564.72,944.65 U$1.P$155@564.96,944.88
31: U3.9 U$1.P$156 | length 340.6
  Top w12: U3.9@399.14,904.77 399.69,905.32 399.29,1021.61 416.81,1038.74 513.62,1038.74 528.9,1029.92 528.9,983.82 539.41,976.38 U$1.P$156@564.96,976.38
+3V3: C3.1 C29.1 C32.1 C36.1 C38.+ C39.2 C40.2 C42.2 D5.C D6.+ D7.+ L1.P$1 L3.P$1 L4.2 L5.1 L7.P$1 R31.2 U1.19 U3.19 | length 8077.6
  Top w10: D5.C@181.18,1390.51 187.01,1387.8 196.85,1377.95 D5.C@196.86,1377.5 ; 246.06,2308.11 246.06,2647.64 748.03,2647.64 767.72,2627.95 v1(807.09,2627.95) ; v1(1417.32,2283.46) 1417.32,2253.94 1437.01,2234.25 D7.+@1438.94,2228.31 ; v1(1702.76,639.76) 1702.76,807.09 L3.P$1@1706.18,807.24
  Top w12: D5.C@181.18,1390.51 181.18,1400.87 169.57,1412.48 111.57,1412.48 35.55,1488.5 35.55,1942.52 141.69,2048.66 141.69,2072.8 204.02,2135.12 204.02,2283.5 228.62,2308.11 246.06,2308.11 L7.P$1@360.28,2308.11 ; L1.P$1@188.54,1363.19 194.06,1377.44 196.86,1377.5 229.8,1378.23 238.9,1361.14 238.58,1283.23 239.29,1263.86 ; v1(250.83,1183.62) 260.87,1183.62 260.87,1205.24 240.12,1233.58 240.12,1241.06 239.29,1263.86 ; U3.19@261.34,766.97 256.3,761.93 C32.1@256.3,717.52 ; v1(661.42,211.06) 591.06,140.71 502.6,140.71 477.64,115.75 477.64,75.94 461.18,42.8 117.48,42.8 74.84,109.49 74.84,430.94 200.87,556.97 200.87,705.12 213.27,717.52 C32.1@256.3,717.52 ; v1(1122.01,276.85) 1123.11,276.85 1227.52,381.26 1314.88,381.26 1339.84,356.3 1339.84,275 L5.1@1338.03,273.19 1386.46,273.19 C3.1@1386.73,273.46 1386.97,273.23 1516.26,273.23 1531.38,288.35 v1(1531.38,334.69) ; D7.+@1438.94,2228.31 1750.04,2228.31 D6.+@1750.55,2228.82 ; 239.29,1263.86 238.54,1263.11 181.06,1263.11 69.45,1155.39 66.69,956.22 190.28,856.89 188.39,736.57 207.44,717.52 C32.1@256.3,717.52
  Bottom w10: v1(807.09,2627.95) 944.88,2490.16 1210.63,2490.16 v1(1417.32,2283.46) ; C42.2@1601.65,49.76 1604.33,49.21 1653.54,49.21 C40.2@1660.12,48.15 ; L4.2@1660.32,470.28 1663.39,472.44 1702.76,472.44 v1(1702.76,639.76)
  Bottom w12: U1.19@247.99,1128.35 242.83,1129.33 C29.1@233.31,1185.99 248.46,1185.98 v1(250.83,1183.62) ; v1(661.42,211.06) 1056.22,211.06 v1(1122.01,276.85) ; v1(1531.38,334.69) 1538.27,341.57 C38.+@1538.27,446.26 1562.28,470.28 L4.2@1660.32,470.28 1658.03,467.99 C36.1@1658.03,384.45 1658.66,383.82 R31.2@1658.66,327.6 1660.55,325.71 C39.2@1660.55,113.82 1660.55,48.58 C40.2@1660.12,48.15
+5V: C8.1 C14.+ C18.2 JP1.1 JP2.1 JP3.1 L201.P$1 R19.2 R25.2 R29.2 U2.2 U5.2 U201.19 | length 6143.3
  Top w12: R25.2@320.39,165.51 R25.2@323.98,162.52 ; v1@420.32,348.46 v1(409.25,346.1) 414.92,340.43 454.92,340.43 483.27,368.78 v1(696.57,368.78) ; v1(668.27,2111.54) 669.57,2112.83 669.57,2228.23 672.38,2366.39 672.52,2373.46 679.54,2373.39 764.61,2372.44 1003.19,2113.31 1150.35,2120.2 1237.83,2069.96 L201.P$1@1237.84,1991.65 ; v1(874.69,372.2) 978.86,268.03 v1(978.86,153.9) ; v1(1455.32,98.03) 1487.01,129.72 C14.+@1716.69,129.72 1717.87,128.54 1862.56,128.54 1865.55,131.54 R29.2@1865.55,191.54 1865.04,191.02 v1(1865.04,152.32)
  Top w24: JP2.1@199.92,386.77 251.42,386.77 324.33,313.86 ; JP1.1@296.34,2601.65 296.34,2532.56 306.65,2522.24 452.24,2522.24 600.63,2373.86 664.9,2373.86 672.38,2366.39 ; R25.2@323.98,162.52 324.09,175.67 324.33,313.86 ; v1(409.25,346.1) R19.2@478.82,342.83 ; v1@420.32,348.46 376.85,347.6 324.33,313.86 ; v1(678.35,2458.66) 678.35,2374.58 679.54,2373.39 ; v1(818.7,2526.54) 870,2577.83 1424.76,2577.83 1449.45,2602.52 JP3.1@1635.32,2599.65
  Bottom w10: v1@403.53,349.1 403.54,354.33 v1(409.25,346.1) ; v1@688.98,374.02 v1(696.57,368.78)
  Bottom w12: v1(668.27,2111.54) 702.05,1866.81 702.05,1674.69 921.54,1666.14 982.68,1666.14 993.7,1655.91 993.7,1575 972.68,1554.76 C8.1@972.68,1543.78 970.47,1545.98 920.87,1545.98 898.43,1526.22 U201.19@898.43,1471.62 ; v1(696.57,368.78) 700,372.2 v1(874.69,372.2) ; v1(978.86,153.9) 1034.72,98.03 v1(1455.32,98.03) ; v1(1865.04,152.32) 1864.02,151.3 U5.2@1864.02,111.81 1865.12,110.71 C18.2@1865.12,45
  Bottom w24: U2.2@371.26,414.41 371.26,349.21 403.53,349.1 v1@404.88,349.09 ; v1(409.25,346.1) v1@413.98,347.44 ; v1(678.35,2458.66) 746.22,2526.54 v1(818.7,2526.54)
ADC0: R3.P$1 R4.P$2 U$1.P$25 | length 268.7
  Top w12: U$1.P$25@1307.08,976.38 v1(1358.66,976.38)
  Bottom w12: v1(1358.66,976.38) 1451.18,976.38 1448.5,976.97 1454.02,976.69 1539.06,977.64 1538.86,951.38 R3.P$1@1536.5,955.83
ADC1: R5.P$1 R6.P$2 U$1.P$24 | length 175.7
  Top w12: U$1.P$24@1307.08,1007.87 v1(1335.43,1007.87)
  Bottom w10: R6.P$2@1446.85,1007.87 1446.85,1013.78 R6.P$2@1447.63,1008.66
  Bottom w12: v1(1335.43,1007.87) 1446.85,1007.87 1448.03,1007.87 R6.P$2@1448.43,1007.48 ; R5.P$1@1446.77,1031.22 1448.78,1009.8 R6.P$2@1447.63,1008.66
ADC2: R7.P$1 R8.P$2 U$1.P$107 | length 263.2
  Top w10: R7.P$1@1552.28,1028.27 1555.12,1033.46 R7.P$1@1557.71,1026.73 1564.96,1033.46 1564.96,1043.31 R8.P$2@1557.36,1048.77
  Top w12: U$1.P$107@1403.54,944.88 1452.91,944.88 1459.76,948.94 1459.76,1014.29 1473.98,1028.27 R7.P$1@1552.28,1028.27
ADC3: R9.P$1 R10.P$2 U$1.P$108 | length 231.3
  Top w10: R9.P$1@1552.09,862.13 1555.12,866.14 R9.P$1@1560.07,861.5 1564.96,856.3 1564.96,846.46 R10.P$2@1558.35,839.34
  Top w12: U$1.P$108@1403.54,913.38 1460.12,913.39 1462.4,908.15 1462.4,873.03 1469.92,862.13 R9.P$1@1552.09,862.13
BAT_RTC: BAT2.GND U$1.P$21 | length 1422
  Top w12: U$1.P$21@1307.08,1102.36 v1(1339.76,1102.36) ; v1(1733.15,1269.06) 1873.9,1409.8 v1(1873.9,1467.56)
  Bottom w12: v1(1339.76,1102.36) 1451.18,1102.36 1452.44,1103.62 1577.6,1103.62 1733.15,1259.17 v1(1733.15,1269.06) ; BAT2.GND@1706.46,2070.91 1751.89,1855.94 1880.71,1727.13 1880.71,1474.37 v1(1873.9,1467.56)
BOOT_TPI: C19.2 U$1.P$47 | length 145.2
  Top w12: v1(842.28,643.94) U$1.P$47@842.52,677.16
  Bottom w10: C19.2@822.44,559.25 826.77,561.02 836.61,561.02 C19.2@842.5,561.03
  Bottom w12: v1(842.28,643.94) 842.5,561.03 C19.2@842.52,552.4
D+: U$1.P$13 U$11.2 U$12.P$1 | length 1483.3
  Top w12: U$1.P$13@1094.49,1212.6 v1(1094.49,1277.17) ; U$11.2@1106.41,2258.07 1134.96,2258.03 1136.38,2259.45 1184.45,2259.45 1192.83,2267.83 U$12.P$1@1192.84,2308.39 1206.93,2294.29 1318.7,2294.29 1355.08,2280.32 1355.08,1868.86 1118.54,1650 1118.54,1526.65 v1(1119.02,1421.89)
  Bottom w12: v1(1094.49,1277.17) 1094.49,1386.22 1094.09,1386.61 1094.09,1396.97 v1(1119.02,1421.89)
D-: U$1.P$12 U$11.1 U$12.P$2 | length 1517.8
  Top w12: U$1.P$12@1062.99,1212.6 v1(1062.99,1244.09) ; v1(1071.26,1423.27) 1070.16,1521.14 1070.32,1521.3 1070.32,1625.55 1333.31,1877.09 1333.31,2195.35 1297.87,2217.68 1091.61,2217.68 1086.73,2222.56 U$11.1@1086.73,2258.07 1085.98,2258.82 1085.98,2280.67 1091.38,2286.06 1162.91,2286.06 1173.15,2296.3 U$12.P$2@1173.15,2308.39
  Bottom w12: v1(1062.99,1244.09) 1062.99,1415 v1(1071.26,1423.27)